# KiCad board backplane.20-slot.kicad_pcb (continued)
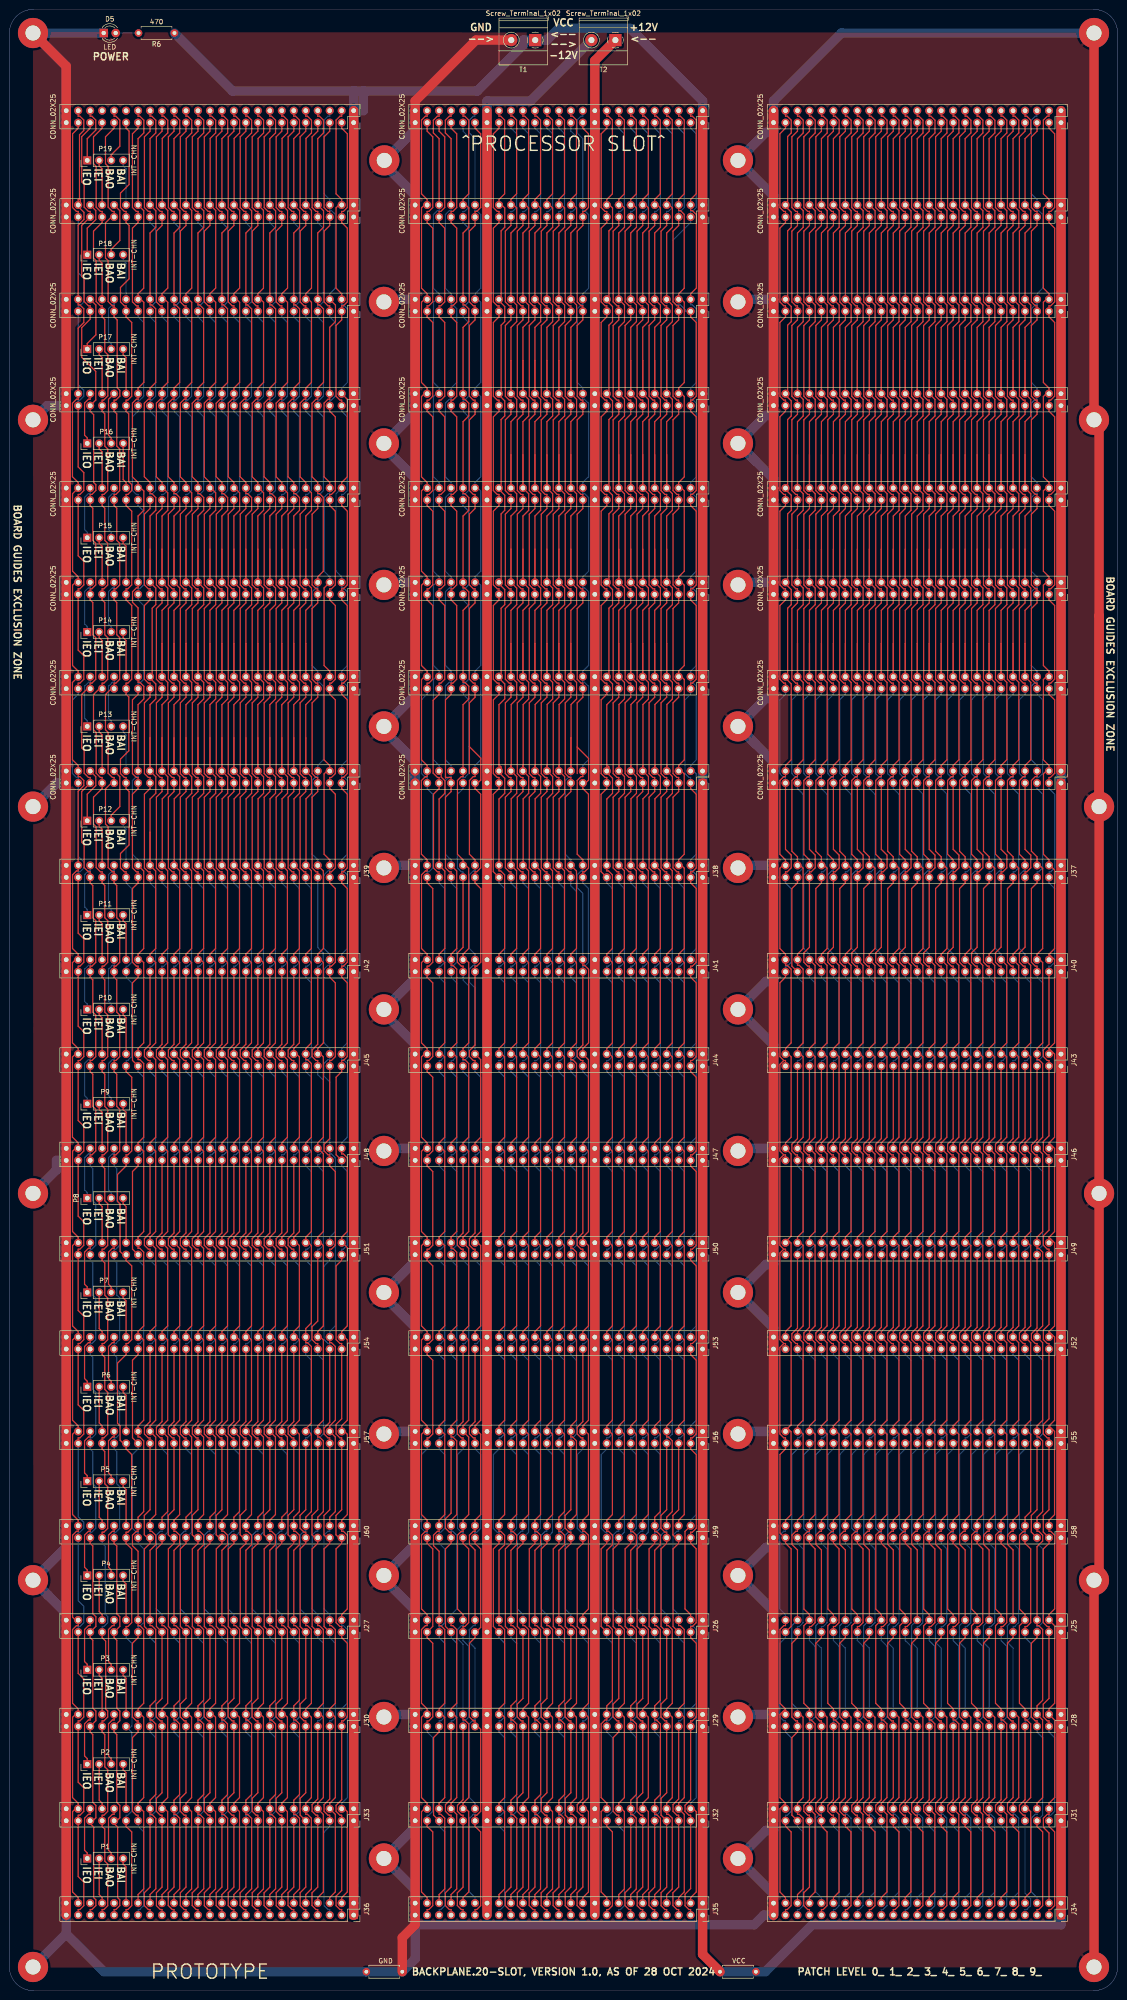
[diagram p0: board, top side]
## Routing (per net, layer and track width the routed paths; a pad name or vN(x,y) marks a point on that pad's centre or on a via; arc(x,y) is an arc through that point) (continued)
/A7: length 409.6
  Top w0.25: J47.21 121.6,160.61 120.41,159.42 120.41,158 121.23,157.18 121.6,157.18 J50.21 ; J53.21 121.6,120.61 120.41,119.42 120.41,118 121.23,117.18 121.6,117.18 J56.21 ; J38.21 121.6,237.18 121.97,237.18 122.8,238 122.8,253.63 121.6,254.82 121.6,255.41 ; J29.21 121.6,40.61 120.41,39.42 120.41,38 121.23,37.18 121.6,37.18 J32.21 121.6,21.94 120.38,20.72 120.38,18.03 121.23,17.18 121.6,17.18 J35.21 ; J41.21 121.6,200.46 120.41,199.27 120.41,198 121.23,197.18 121.6,197.18 J44.21 ; J2.21 121.6,255.41 ; 121.6,255.41 122.81,256.63 122.81,261.21 120.41,263.62 ; J26.21 120.41,77.19 120.41,93.63 121.6,94.82 J59.21 ; J23.21 121.6,394.82 122.79,393.63 122.79,378 121.97,377.18 121.6,377.18 J20.21 121.6,374.19 120.41,373 120.41,358 121.24,357.18 121.6,357.18 J17.21 121.6,354.19 120.41,353 120.41,338 121.24,337.18 121.6,337.18 J14.21 121.6,334.19 120.41,333 120.41,318 121.24,317.18 121.6,317.18 J11.21 121.6,314.19 120.41,313 120.41,298 121.24,297.18 121.6,297.18 J8.21 121.6,294.19 120.41,293 120.41,278 121.24,277.18 121.6,277.18 J5.21 121.6,274.19 120.41,273 120.41,263.62 ; 120.41,263.62 120.41,258
  Bottom w0.25: J38.21 121.6,234.82 122.79,233.63 122.79,218 121.97,217.18 121.6,217.18 J41.21 ; J29.21 121.6,57.18 121.97,57.18 122.79,58 122.79,73.63 121.6,74.82 J26.21 ; J44.21 121.6,194.82 122.79,193.63 122.79,178 121.97,177.18 121.6,177.18 J47.21 ; J50.21 121.6,154.82 122.79,153.63 122.79,138 121.97,137.18 121.6,137.18 J53.21 ; J59.21 121.6,97.18 121.23,97.18 120.41,98 120.41,113.63 121.6,114.82 J56.21
/A8: length 402.4
  Top w0.25: J38.17 125.47,237.21 125.47,253.61 126.68,254.82 J2.17 126.68,257.18 126.31,257.18 125.49,258 125.49,273.63 126.68,274.82 J5.17 126.68,277.18 126.31,277.18 125.49,278 125.49,293.63 126.68,294.82 J8.17 126.68,297.18 126.31,297.18 125.49,298 125.49,313.63 126.68,314.82 J11.17 126.68,317.18 126.31,317.18 125.49,318 125.49,333.63 126.68,334.82 J14.17 126.68,337.18 126.31,337.18 125.49,338 125.49,353.63 126.68,354.82 J17.17 126.68,357.18 126.31,357.18 125.49,358 125.49,373.63 126.68,374.82 J20.17 126.68,377.18 126.31,377.18 125.49,378 125.49,393.63 126.68,394.82 J23.17 ; J26.17 125.49,77.2 125.49,93.63 126.68,94.82 J59.17 ; J35.17 126.68,17.18 127.05,17.18 127.87,18 127.87,33.63 126.68,34.82 J32.17
  Bottom w0.25: J26.17 126.68,74.82 127.87,73.63 127.87,58 127.05,57.18 126.68,57.18 J29.17 126.68,54.82 127.87,53.63 127.87,38 127.05,37.18 126.68,37.18 J32.17 ; J38.17 126.68,234.82 127.87,233.63 127.87,218 127.05,217.18 126.68,217.18 J41.17 126.68,214.82 127.87,213.63 127.87,198 127.05,197.18 126.68,197.18 J44.17 126.68,194.82 127.87,193.63 127.87,178 127.05,177.18 126.68,177.18 J47.17 126.68,174.82 127.87,173.63 127.87,158 127.05,157.18 126.68,157.18 J50.17 126.68,154.82 127.87,153.63 127.87,138 127.05,137.18 126.68,137.18 J53.17 126.68,134.82 127.87,133.63 127.87,118 127.05,117.18 126.68,117.18 J56.17 126.68,114.82 125.49,113.63 125.49,98 126.31,97.18 126.68,97.18 J59.17
/A9: length 402.4
  Top w0.25: J38.15 129.22,237.18 128.85,237.18 128.03,238 128.03,253 129.22,254.19 J2.15 129.22,257.18 128.85,257.18 128.03,258 128.03,273 129.22,274.19 J5.15 129.22,277.18 128.86,277.18 128.03,278 128.03,293 129.22,294.19 J8.15 129.22,297.18 128.86,297.18 128.03,298 128.03,313 129.22,314.19 J11.15 129.22,317.18 128.86,317.18 128.03,318 128.03,333 129.22,334.19 J14.15 129.22,337.18 128.86,337.18 128.03,338 128.03,353 129.22,354.19 J17.15 129.22,357.18 128.86,357.18 128.03,358 128.03,373 129.22,374.19 J20.15 ; J32.15 129.22,37.18 128.85,37.18 128.04,37.99 128.04,53.64 129.22,54.82 J29.15 129.22,57.18 128.85,57.18 128,58.03 128,60.72 129.22,61.94 J26.15 128.03,77.19 128.03,93.63 129.22,94.82 J59.15
  Bottom w0.25: J20.15 129.22,377.18 129.59,377.18 130.41,378 130.41,393.63 129.22,394.82 J23.15 ; J59.15 130.41,97.19 130.41,113.64 129.22,114.82 J56.15 129.22,117.18 129.59,117.18 130.41,118 130.41,133.63 129.22,134.82 J53.15 129.22,137.18 129.59,137.18 130.41,138 130.41,153.63 129.22,154.82 J50.15 129.22,157.18 129.59,157.18 130.41,158 130.41,173.63 129.22,174.82 J47.15 129.22,177.18 129.59,177.18 130.41,178 130.41,193.63 129.22,194.82 J44.15 129.22,197.18 129.59,197.18 130.41,198 130.41,213.63 129.22,214.82 J41.15 129.22,217.18 129.59,217.18 130.41,218 130.41,233.63 129.22,234.82 J38.15 ; J35.15 129.22,17.18 129.59,17.18 130.41,18 130.41,33.63 129.22,34.82 J32.15
/A10: length 402.6
  Top w0.25: J59.13 131.76,94.82 130.57,93.63 130.57,77.19 J26.13 ; J38.13 131.76,237.18 131.39,237.18 130.57,238 130.57,253 131.76,254.19 J2.13 131.76,257.18 131.39,257.18 130.57,258 130.57,273 131.76,274.19 J5.13 131.76,277.18 131.4,277.18 130.57,278 130.57,293 131.76,294.19 J8.13 131.76,297.18 131.4,297.18 130.57,298 130.57,313 131.76,314.19 J11.13 131.76,317.18 131.4,317.18 130.57,318 130.57,333 131.76,334.19 J14.13 131.76,337.18 131.4,337.18 130.57,338 130.57,353 131.76,354.19 J17.13 131.76,357.18 131.4,357.18 130.57,358 130.57,373 131.76,374.19 J20.13 ; J35.13 131.76,17.18 131.39,17.18 130.54,18.03 130.54,20.72 131.76,21.94 J32.13
  Bottom w0.25: J38.13 131.76,234.82 132.95,233.63 132.95,218 132.13,217.18 131.76,217.18 J41.13 131.76,214.82 132.95,213.63 132.95,198 132.13,197.18 131.76,197.18 J44.13 131.76,194.82 132.95,193.63 132.95,178 132.13,177.18 131.76,177.18 J47.13 131.76,174.82 132.95,173.63 132.95,158 132.13,157.18 131.76,157.18 J50.13 131.76,154.82 132.95,153.63 132.95,138 132.13,137.18 131.76,137.18 J53.13 131.76,134.82 132.95,133.63 132.95,118 132.13,117.18 131.76,117.18 J56.13 131.76,114.82 132.94,113.65 132.94,97.99 132.13,97.18 131.76,97.18 J59.13 ; J23.13 131.76,394.82 132.95,393.63 132.95,378 132.12,377.18 131.76,377.18 J20.13 ; J32.13 131.76,37.18 132.13,37.18 132.95,38 132.95,53.63 131.76,54.82 J29.13 131.76,57.18 132.13,57.18 132.95,58 132.95,73.63 131.76,74.82 J26.13
/A11: length 402.4
  Top w0.25: J35.11 134.3,17.18 133.93,17.18 133.12,17.99 133.12,20.76 134.3,21.94 J32.11 134.3,37.18 133.93,37.18 133.11,38 133.11,40.74 134.3,41.94 J29.11 134.3,57.18 133.93,57.18 133.09,58.02 133.09,60.72 134.3,61.94 J26.11 133.11,77.19 133.11,93.63 134.3,94.82 J59.11 ; J38.11 134.3,237.18 133.93,237.18 133.11,238 133.11,253 134.3,254.19 J2.11 134.3,257.18 133.93,257.18 133.11,258 133.11,273 134.3,274.19 J5.11 134.3,277.18 133.94,277.18 133.11,278 133.11,293 134.3,294.19 J8.11 134.3,297.18 133.94,297.18 133.11,298 133.11,313 134.3,314.19 J11.11 134.3,317.18 133.94,317.18 133.11,318 133.11,333 134.3,334.19 J14.11 134.3,337.18 133.94,337.18 133.11,338 133.11,353 134.3,354.19 J17.11 134.3,357.18 133.94,357.18 133.11,358 133.11,373 134.3,374.19 J20.11
  Bottom w0.25: J38.11 134.3,234.82 135.49,233.63 135.49,218 134.67,217.18 134.3,217.18 J41.11 134.3,214.82 135.49,213.63 135.49,198 134.67,197.18 134.3,197.18 J44.11 134.3,194.82 135.49,193.63 135.49,178 134.67,177.18 134.3,177.18 J47.11 134.3,174.82 135.49,173.63 135.49,158 134.67,157.18 134.3,157.18 J50.11 134.3,154.82 135.49,153.63 135.49,138 134.67,137.18 134.3,137.18 J53.11 134.3,134.82 135.49,133.63 135.49,118 134.67,117.18 134.3,117.18 J56.11 134.3,114.82 135.49,113.64 135.49,97.19 J59.11 ; J20.11 134.3,377.18 134.66,377.18 135.49,378 135.49,393.63 134.3,394.82 J23.11
/A12: length 402.6
  Top w0.25: J26.9 135.65,77.19 135.65,93.63 136.84,94.82 J59.9 ; J35.9 136.84,17.18 136.47,17.18 135.62,18.03 135.62,20.72 136.84,21.94 J32.9 ; J20.9 136.84,374.19 135.65,373 135.65,358 136.47,357.18 136.84,357.18 J17.9 136.84,354.19 135.65,353 135.65,338 136.47,337.18 136.84,337.18 J14.9 136.84,334.19 135.65,333 135.65,318 136.47,317.18 136.84,317.18 J11.9 136.84,314.19 135.65,313 135.65,298 136.47,297.18 136.84,297.18 J8.9 136.84,294.19 135.65,293 135.65,278 136.47,277.18 136.84,277.18 J5.9 136.84,274.19 135.65,273 135.65,258 136.47,257.18 136.84,257.18 J2.9 136.84,254.19 135.65,253 135.65,238 136.47,237.18 136.84,237.18 J38.9
  Bottom w0.25: J23.9 136.84,394.82 138.03,393.63 138.03,378 137.21,377.18 136.84,377.18 J20.9 ; J32.9 136.84,37.18 137.21,37.18 138.03,38 138.03,53.63 136.84,54.82 J29.9 136.84,57.18 137.21,57.18 138.03,58 138.03,73.63 136.84,74.82 J26.9 ; J38.9 136.84,234.82 138.03,233.63 138.03,218 137.21,217.18 136.84,217.18 J41.9 136.84,214.82 138.03,213.63 138.03,198 137.21,197.18 136.84,197.18 J44.9 136.84,194.82 138.03,193.63 138.03,178 137.21,177.18 136.84,177.18 J47.9 136.84,174.82 138.03,173.63 138.03,158 137.21,157.18 136.84,157.18 J50.9 136.84,154.82 138.03,153.63 138.03,138 137.21,137.18 136.84,137.18 J53.9 136.84,134.82 138.03,133.63 138.03,118 137.21,117.18 136.84,117.18 J56.9 136.84,114.82 138.02,113.65 138.02,97.99 137.21,97.18 136.84,97.18 J59.9
/A13: length 402.4
  Top w0.25: J38.7 139.38,237.18 139.01,237.18 138.19,238 138.19,253 139.38,254.19 J2.7 139.38,257.18 139.01,257.18 138.19,258 138.19,273 139.38,274.19 J5.7 139.38,277.18 139.02,277.18 138.19,278 138.19,293 139.38,294.19 J8.7 139.38,297.18 139.02,297.18 138.19,298 138.19,313 139.38,314.19 J11.7 139.38,317.18 139.02,317.18 138.19,318 138.19,333 139.38,334.19 J14.7 139.38,337.18 139.02,337.18 138.19,338 138.19,353 139.38,354.19 J17.7 139.38,357.18 139.02,357.18 138.19,358 138.19,373 139.38,374.19 J20.7 ; J35.7 139.38,17.18 139.01,17.18 138.19,17.99 138.19,20.75 139.38,21.94 J32.7 138.19,37.19 138.19,40.74 139.38,41.94 J29.7 139.38,57.18 139.01,57.18 138.17,58.02 138.17,60.72 139.38,61.94 J26.7 138.19,77.19 138.19,93.63 139.38,94.82 J59.7 139.38,97.18 139.01,97.18 138.17,98.02 138.17,100.72 139.38,101.94 J56.7
  Bottom w0.25: J56.7 139.38,117.18 139.75,117.18 140.57,118 140.57,133.63 139.38,134.82 J53.7 139.38,137.18 139.75,137.18 140.57,138 140.57,153.63 139.38,154.82 J50.7 139.38,157.18 139.75,157.18 140.57,158 140.57,173.63 139.38,174.82 J47.7 139.38,177.18 139.75,177.18 140.57,178 140.57,193.63 139.38,194.82 J44.7 139.38,197.18 139.75,197.18 140.57,198 140.57,213.63 139.38,214.82 J41.7 139.38,217.18 139.75,217.18 140.57,218 140.57,233.63 139.38,234.82 J38.7 ; J23.7 139.38,394.82 140.57,393.63 140.57,378 139.75,377.18 139.38,377.18 J20.7
/A14: length 403
  Top w0.25: J38.5 141.92,237.18 141.55,237.18 140.73,238 140.73,253 141.92,254.19 J2.5 141.92,257.18 141.55,257.18 140.73,258 140.73,273 141.92,274.19 J5.5 141.92,277.18 141.56,277.18 140.73,278 140.73,293 141.92,294.19 J8.5 141.92,297.18 141.56,297.18 140.73,298 140.73,313 141.92,314.19 J11.5 141.92,317.18 141.56,317.18 140.73,318 140.73,333 141.92,334.19 J14.5 141.92,337.18 141.56,337.18 140.73,338 140.73,353 141.92,354.19 J17.5 141.92,357.18 141.56,357.18 140.73,358 140.73,373 141.92,374.19 J20.5 ; J59.5 141.92,95.41 ; 141.92,95.41 141.92,94.82 140.73,93.63 140.73,77.19 J26.5 ; 141.92,95.41 140.7,96.63 140.7,100.72 141.92,101.94 J56.5 ; J29.5 141.92,40.61 140.73,39.42 140.73,38 141.55,37.18 141.92,37.18 J32.5 141.92,21.94 140.7,20.72 140.7,18.03 141.55,17.18 141.92,17.18 J35.5
  Bottom w0.25: J20.5 141.92,377.18 142.28,377.18 143.11,378 143.11,393.63 141.92,394.82 J23.5 ; J38.5 141.92,234.82 143.11,233.63 143.11,218 142.29,217.18 141.92,217.18 J41.5 141.92,214.82 143.11,213.63 143.11,198 142.29,197.18 141.92,197.18 J44.5 141.92,194.82 143.11,193.63 143.11,178 142.29,177.18 141.92,177.18 J47.5 141.92,174.82 143.11,173.63 143.11,158 142.29,157.18 141.92,157.18 J50.5 141.92,154.82 143.11,153.63 143.11,138 142.29,137.18 141.92,137.18 J53.5 141.92,134.82 143.11,133.63 143.11,118 142.29,117.18 141.92,117.18 J56.5 ; J29.5 141.92,57.18 142.29,57.18 143.11,58 143.11,73.63 141.92,74.82 J26.5
/A15: length 405.9
  Top w0.25: J17.3 144.46,354.82 145.66,353.63 145.66,338 144.83,337.18 144.46,337.18 J14.3 144.46,334.82 145.66,333.63 145.66,318 144.83,317.18 144.46,317.18 J11.3 144.46,314.82 145.66,313.63 145.66,298 144.83,297.18 144.46,297.18 J8.3 144.46,294.82 145.66,293.63 145.66,278 144.83,277.18 144.46,277.18 J5.3 ; J35.3 144.46,17.18 144.09,17.18 143.27,18 143.27,20.43 144.46,21.62 J32.3 144.46,37.18 144.09,37.18 143.27,38 143.27,39.27 144.46,40.46 J29.3 144.46,57.18 144.83,57.18 145.67,58.02 145.67,73.61 144.46,74.82 J26.3 144.46,77.18 144.83,77.18 145.64,77.99 145.64,93.65 144.46,94.82 J59.3 144.46,97.18 144.83,97.18 145.66,98.01 145.66,113.62 144.46,114.82 J56.3 144.46,117.18 144.83,117.18 145.65,118 145.65,133.63 144.46,134.82 J53.3 144.46,137.18 144.83,137.18 145.65,138 145.65,153.63 144.46,154.82 J50.3 144.46,157.18 144.83,157.18 145.65,158 145.65,173.63 144.46,174.82 J47.3 144.46,177.18 144.83,177.18 145.65,178 145.65,193.63 144.46,194.82 J44.3 144.46,197.18 144.83,197.18 145.65,198 145.65,213.63 144.46,214.82 J41.3 144.46,217.18 144.83,217.18 145.65,218 145.65,233.63 144.46,234.82 J38.3 144.46,237.18 144.83,237.18 145.65,238 145.65,253.63 144.46,254.82 J2.3
  Bottom w0.25: J2.3 144.46,257.18 144.09,257.18 143.27,258 143.27,273.63 144.46,274.82 J5.3 ; J23.3 144.46,394.82 145.65,393.63 145.65,378 144.83,377.18 144.46,377.18 J20.3 144.46,374.82 140.75,371.11 140.75,358.05 141.43,357.36 142.28,357.36 143.28,356.37 143.28,356 J17.3
/A16: length 406.7
  Top w0.25: 103.82,179.13 103.82,179.72 105.01,180.91 105.01,197.94 103.82,199.13 ; 103.82,179.13 J47.36 ; 103.82,179.13 105.01,177.94 105.01,160.91 103.82,159.72 103.82,159.13 ; 103.82,259.85 J2.36 ; 103.82,259.85 104.27,259.39 104.27,257.78 105.04,257.01 105.04,253.82 103.82,252.6 J38.36 103.82,237.36 104.19,237.36 105.01,236.54 105.01,220.91 103.82,219.72 103.82,219.13 ; 103.82,259.85 103.82,272.6 105.04,273.82 105.04,277.01 104.27,277.78 104.27,278.54 ; 103.82,219.13 J41.36 ; 103.82,219.13 105.01,217.94 105.01,200.91 103.82,199.72 103.82,199.13 ; 103.82,39.13 103.82,39.72 105.01,40.91 105.01,57.94 103.82,59.13 ; 103.82,39.13 105.01,37.94 105.01,21.54 103.82,20.35 J35.36 ; 103.82,39.13 J32.36 ; 103.82,59.13 J29.36 ; 103.82,59.13 103.82,59.72 105.01,60.91 105.01,76.54 104.19,77.36 103.82,77.36 J26.36 103.82,93.33 105.01,94.52 105.01,96.54 104.19,97.36 103.82,97.36 J59.36 103.82,99.72 105.01,100.91 105.01,117.94 103.82,119.13 ; 104.27,278.54 104.27,293.05 105.04,293.82 105.04,297.01 104.27,297.78 104.27,298.54 ; 104.27,278.54 103.82,278.54 ; 103.82,159.13 105.01,157.94 105.01,140.91 103.82,139.72 103.82,139.13 ; 103.82,159.13 J50.36 ; 103.82,338.54 J14.36 103.82,338.54 ; 103.82,338.54 104.27,338.54 ; 103.82,318.54 104.27,318.54 ; 103.82,318.54 J11.36 103.82,318.54 ; 104.27,318.54 104.27,333.05 105.04,333.82 105.04,337.01 104.27,337.78 104.27,338.54 ; 104.27,318.54 104.27,317.78 105.04,317.01 105.04,313.82 104.27,313.05 104.27,298.54 ; 103.82,139.13 J53.36 ; 103.82,139.13 105.01,137.94 105.01,120.91 103.82,119.72 103.82,119.13 ; 104.27,298.54 103.82,298.54 ; 104.27,338.54 104.27,353.05 105.04,353.82 105.04,357.01 104.27,357.78 104.27,358.54 ; 103.82,298.54 J8.36 103.82,298.54 ; 103.82,199.13 J44.36 ; 103.82,379.13 105.04,377.91 105.04,373.82 104.27,373.05 104.27,358.54 ; 103.82,379.13 103.82,379.72 105.01,380.91 105.01,396.54 104.19,397.36 103.82,397.36 J23.36 ; 103.82,379.13 J20.36 ; 103.82,278.54 J5.36 103.82,278.54 ; J56.36 103.82,119.13 ; 104.27,358.54 J17.36
/A17: length 433.4
  Top w0.25: J2.34 106.36,259.66 106.41,259.71 ; J20.34 106.36,379.13 ; 106.36,379.13 106.36,379.72 107.55,380.91 107.55,396.54 106.73,397.36 106.36,397.36 J23.34 ; 106.36,379.13 107.58,377.91 107.58,373.82 106.36,372.6 J17.34 107.58,357.32 107.58,353.82 106.36,352.6 106.36,345.57 ; J56.34 106.36,119.13 ; 106.36,119.13 106.36,119.72 107.55,120.91 107.55,137.93 106.36,139.13 ; 106.36,119.13 107.55,117.93 107.55,100.91 106.36,99.72 J59.34 106.36,97.36 106.73,97.36 107.55,96.54 107.55,94.52 106.36,93.33 J26.34 106.36,77.36 106.73,77.36 107.55,76.54 107.55,61.55 106.36,60.35 J29.34 106.36,57.36 106.73,57.36 107.57,56.52 107.57,41.57 106.36,40.35 J32.34 106.36,37.36 106.73,37.36 107.58,36.51 107.58,21.57 106.36,20.35 J35.34 ; 106.36,325.57 J11.34 ; 106.36,325.57 106.36,332.6 107.58,333.82 107.58,337.32 J14.34 ; 106.36,325.57 J11.34 ; J11.34 107.58,317.32 107.58,313.82 106.36,312.6 106.36,305.57 ; 106.36,199.13 107.55,197.93 107.55,180.91 106.36,179.72 106.36,179.13 ; 106.36,199.13 106.36,199.72 107.55,200.91 107.55,217.93 106.36,219.13 ; 106.36,199.13 J44.34 ; 106.36,345.57 J14.34 ; 106.36,345.57 J14.34 ; 106.41,238.54 107.55,237.4 107.55,220.91 106.36,219.72 106.36,219.13 ; 106.41,238.54 J38.34 ; 106.41,238.54 106.41,252.65 107.58,253.82 107.58,257.38 106.41,258.54 106.41,259.71 ; 106.36,179.13 J47.34 ; 106.36,179.13 107.55,177.93 107.55,160.91 106.36,159.72 106.36,159.13 ; 106.36,139.13 106.36,139.72 107.55,140.91 107.55,157.93 106.36,159.13 ; 106.36,139.13 J53.34 ; J50.34 106.36,159.13 ; 106.36,305.57 J8.34 ; 106.36,305.57 J8.34 ; J8.34 107.58,297.32 107.58,293.82 106.36,292.6 106.36,285.57 ; J41.34 106.36,219.13 ; 106.41,259.71 106.41,272.65 107.58,273.82 107.58,277.32 J5.34 ; 106.36,285.57 J5.34 ; 106.36,285.57 J5.34
/A18: length 434.1
  Top w0.25: J11.32 110.12,317.32 110.12,313.82 108.9,312.6 108.9,305.57 ; J11.32 108.9,325.57 ; J11.32 108.9,325.57 ; 108.9,325.57 108.9,332.6 110.12,333.82 110.12,337.32 J14.32 ; J32.32 108.9,39.13 ; 108.9,39.13 108.9,39.72 110.09,40.91 110.09,57.94 108.9,59.13 ; 108.9,39.13 110.09,37.94 110.09,21.54 108.9,20.35 J35.32 ; 108.95,259.71 108.95,272.65 110.12,273.82 110.12,277.32 J5.32 ; 108.95,259.71 108.95,258.54 110.12,257.38 110.12,253.82 108.95,252.65 108.95,238.54 ; 108.95,259.71 108.9,259.66 J2.32 ; 108.9,305.57 J8.32 ; 108.9,305.57 J8.32 ; 108.9,345.57 J14.32 ; 108.9,345.57 J14.32 ; 108.9,345.57 108.9,352.6 110.12,353.82 110.12,357.32 J17.32 108.9,372.6 110.12,373.82 110.12,377.91 108.9,379.13 ; J8.32 110.12,297.32 110.12,293.82 108.9,292.6 108.9,285.57 ; 108.9,139.13 110.09,137.93 110.09,120.91 108.9,119.72 108.9,119.13 ; 108.9,139.13 108.9,139.72 110.09,140.91 110.09,157.93 108.9,159.13 ; 108.9,139.13 J53.32 ; 108.9,119.13 110.09,117.93 110.09,100.91 108.9,99.72 J59.32 ; 108.9,119.13 J56.32 ; 108.9,285.57 J5.32 ; 108.9,285.57 J5.32 ; 108.9,59.13 J29.32 ; 108.9,59.13 108.9,59.72 110.09,60.91 110.09,76.54 109.27,77.36 108.9,77.36 J26.32 ; 108.9,179.13 110.09,177.93 110.09,160.91 108.9,159.72 108.9,159.13 ; 108.9,179.13 J47.32 ; 108.9,179.13 108.9,179.72 110.09,180.91 110.09,197.93 108.9,199.13 ; 108.9,159.13 J50.32 ; J41.32 108.9,219.13 ; 108.9,219.13 110.09,217.93 110.09,200.91 108.9,199.72 108.9,199.13 ; 108.9,219.13 108.9,219.72 110.09,220.91 110.09,237.4 108.95,238.54 ; J23.32 108.9,397.36 109.27,397.36 110.09,396.54 110.09,380.91 108.9,379.72 108.9,379.13 ; 108.9,199.13 J44.32 ; 108.95,238.54 J38.32 ; 108.9,379.13 J20.32
  Bottom w0.25: J26.32 108.9,79.72 107.71,80.91 107.71,96.54 108.53,97.36 108.9,97.36 J59.32
/A19: length 433.4
  Top w0.25: J50.30 111.44,159.13 ; 111.44,159.13 112.63,157.93 112.63,140.91 111.44,139.72 111.44,139.13 ; 111.44,159.13 111.44,159.72 112.63,160.91 112.63,177.93 111.44,179.13 ; 111.44,325.57 J11.30 ; 111.44,325.57 111.44,332.6 112.66,333.82 112.66,337.32 J14.30 ; 111.44,325.57 J11.30 ; J11.30 112.66,317.32 112.66,313.82 111.44,312.6 111.44,305.57 ; 111.49,238.54 112.63,237.4 112.63,220.91 111.44,219.72 111.44,219.13 ; 111.49,238.54 111.49,252.65 112.66,253.82 112.66,257.38 111.49,258.54 111.49,259.71 ; 111.49,238.54 J38.30 ; J56.30 111.44,119.13 ; 111.44,119.13 112.63,117.93 112.63,100.91 111.44,99.72 J59.30 111.44,97.36 111.81,97.36 112.63,96.54 112.63,94.52 111.44,93.33 J26.30 111.44,77.36 111.81,77.36 112.63,76.54 112.63,61.55 111.44,60.35 J29.30 111.44,57.36 111.81,57.36 112.65,56.52 112.65,41.57 111.44,40.35 J32.30 111.44,37.36 111.81,37.36 112.63,36.54 112.63,21.54 111.44,20.35 J35.30 ; 111.44,119.13 111.44,119.72 112.63,120.91 112.63,137.93 111.44,139.13 ; J8.30 112.66,297.32 112.66,293.82 111.44,292.6 111.44,285.57 ; J8.30 111.44,305.57 ; J8.30 111.44,305.57 ; J2.30 111.44,259.66 111.49,259.71 ; J23.30 111.44,397.36 111.81,397.36 112.63,396.54 112.63,380.91 111.44,379.72 111.44,379.13 ; 111.44,219.13 112.63,217.93 112.63,200.91 111.44,199.72 111.44,199.13 ; 111.44,219.13 J41.30 ; 111.44,179.13 111.44,179.72 112.63,180.91 112.63,197.93 111.44,199.13 ; 111.44,179.13 J47.30 ; J20.30 111.44,379.13 ; 111.44,379.13 112.66,377.91 112.66,373.82 111.44,372.6 J17.30 112.66,357.32 112.66,353.82 111.44,352.6 111.44,345.57 ; 111.44,199.13 J44.30 ; 111.44,285.57 J5.30 ; 111.44,285.57 J5.30 ; J5.30 112.66,277.32 112.66,273.82 111.49,272.65 111.49,259.71 ; 111.44,139.13 J53.30 ; 111.44,345.57 J14.30 ; 111.44,345.57 J14.30
/A20: length 434.1
  Top w0.25: 113.98,325.57 J11.28 ; 113.98,325.57 J11.28 ; 113.98,325.57 113.98,332.6 115.2,333.82 115.2,337.32 J14.28 ; J11.28 115.2,317.32 115.2,313.82 113.98,312.6 113.98,305.57 ; 114.03,238.54 114.03,252.65 115.2,253.82 115.2,257.38 114.03,258.54 114.03,259.71 ; 114.03,238.54 115.17,237.4 115.17,220.91 113.98,219.72 113.98,219.13 ; 114.03,238.54 J38.28 ; 113.98,139.13 115.17,137.93 115.17,120.91 113.98,119.72 113.98,119.13 ; 113.98,139.13 113.98,139.72 115.17,140.91 115.17,157.93 113.98,159.13 ; 113.98,139.13 J53.28 ; J26.28 113.98,77.36 114.35,77.36 115.17,76.54 115.17,60.91 113.98,59.72 113.98,59.13 ; 113.98,345.57 113.98,352.6 115.2,353.82 115.2,357.32 J17.28 113.98,372.6 115.2,373.82 115.2,377.91 113.98,379.13 ; 113.98,345.57 J14.28 ; 113.98,345.57 J14.28 ; 113.98,285.57 J5.28 ; 113.98,285.57 113.98,292.6 115.2,293.82 115.2,297.32 J8.28 ; 113.98,285.57 J5.28 ; J5.28 115.2,277.32 115.2,273.82 114.03,272.65 114.03,259.71 ; J56.28 113.98,119.13 ; 113.98,119.13 115.17,117.93 115.17,100.91 113.98,99.72 J59.28 ; 113.98,159.13 J50.28 ; 113.98,159.13 113.98,159.72 115.17,160.91 115.17,177.93 113.98,179.13 ; J20.28 113.98,379.13 ; 113.98,379.13 113.98,379.72 115.17,380.91 115.17,396.54 114.35,397.36 113.98,397.36 J23.28 ; J44.28 113.98,199.13 ; 113.98,199.13 113.98,199.72 115.17,200.91 115.17,217.93 113.98,219.13 ; 113.98,199.13 115.17,197.93 115.17,180.91 113.98,179.72 113.98,179.13 ; J32.28 113.98,39.13 ; 113.98,39.13 115.17,37.94 115.17,21.54 113.98,20.35 J35.28 ; 113.98,39.13 113.98,39.72 115.17,40.91 115.17,57.94 113.98,59.13 ; 113.98,305.57 J8.28 ; 113.98,305.57 J8.28 ; 113.98,219.13 J41.28 ; 114.03,259.71 113.98,259.66 J2.28 ; 113.98,179.13 J47.28 ; J29.28 113.98,59.13
  Bottom w0.25: J59.28 113.98,97.36 113.61,97.36 112.79,96.54 112.79,80.91 113.98,79.72 J26.28
/A21: length 433.4
  Top w0.25: 116.57,259.71 116.57,258.54 117.74,257.38 117.74,253.82 116.57,252.65 116.57,238.54 ; 116.57,259.71 116.52,259.66 J2.26 ; 116.57,259.71 116.57,272.65 117.74,273.82 117.74,277.32 J5.26 ; 116.52,139.13 117.71,137.93 117.71,120.91 116.52,119.72 116.52,119.13 ; 116.52,139.13 J53.26 ; 116.52,139.13 116.52,139.72 117.71,140.91 117.71,157.93 116.52,159.13 ; 116.57,238.54 J38.26 ; 116.57,238.54 117.71,237.4 117.71,220.91 116.52,219.72 116.52,219.13 ; J20.26 116.52,379.13 ; 116.52,379.13 117.74,377.91 117.74,373.82 116.52,372.6 J17.26 117.74,357.32 117.74,353.82 116.52,352.6 116.52,345.57 ; 116.52,379.13 116.52,379.72 117.71,380.91 117.71,396.54 116.89,397.36 116.52,397.36 J23.26 ; 116.52,219.13 117.71,217.93 117.71,200.91 116.52,199.72 116.52,199.13 ; 116.52,219.13 J41.26 ; J11.26 117.74,317.32 117.74,313.82 116.52,312.6 116.52,305.57 ; J11.26 116.52,325.57 ; J11.26 116.52,325.57 ; 116.52,305.57 J8.26 ; 116.52,305.57 J8.26 ; J8.26 117.74,297.32 117.74,293.82 116.52,292.6 116.52,285.57 ; 116.52,199.13 J44.26 ; 116.52,199.13 117.71,197.93 117.71,180.91 116.52,179.72 116.52,179.13 ; 116.52,325.57 116.52,332.6 117.74,333.82 117.74,337.32 J14.26 ; 116.52,285.57 J5.26 ; 116.52,285.57 J5.26 ; 116.52,179.13 117.71,177.93 117.71,160.91 116.52,159.72 116.52,159.13 ; 116.52,179.13 J47.26 ; 116.52,345.57 J14.26 ; 116.52,345.57 J14.26 ; 116.52,159.13 J50.26 ; 116.52,119.13 117.71,117.93 117.71,101.55 116.52,100.35 J59.26 116.52,97.36 116.89,97.36 117.71,96.54 117.71,94.52 116.52,93.33 J26.26 116.52,77.36 116.89,77.36 117.71,76.54 117.71,61.55 116.52,60.35 J29.26 116.52,57.36 116.89,57.36 117.73,56.52 117.73,41.57 116.52,40.35 J32.26 116.52,37.36 116.83,37.36 117.73,36.47 117.73,21.56 116.52,20.35 J35.26 ; 116.52,119.13 J56.26
/A22: length 438.7
  Top w0.25: 119.11,265.6 119.11,258.54 ; 119.11,265.6 119.11,272.65 120.28,273.82 120.28,277.32 J5.24 ; 119.11,265.6 119.06,265.55 J2.24 ; J8.24 120.28,297.32 120.28,293.82 119.06,292.6 119.06,285.57 ; J8.24 119.06,305.57 ; J8.24 119.06,305.57 ; J53.24 119.06,139.13 ; 119.06,139.13 120.25,137.93 120.25,120.91 119.06,119.72 J56.24 119.06,117.36 119.43,117.36 120.25,116.54 120.25,100.91 119.06,99.72 J59.24 ; 119.06,139.13 119.06,139.72 120.25,140.91 120.25,156.54 119.43,157.36 119.06,157.36 J50.24 119.06,159.72 120.25,160.91 120.25,177.93 119.06,179.13 ; J38.24 120.25,237.35 120.25,220.91 119.06,219.72 119.06,219.13 ; 119.06,325.57 119.06,332.6 120.28,333.82 120.28,337.32 J14.24 ; 119.06,325.57 J11.24 ; 119.06,325.57 J11.24 ; J26.24 119.06,77.36 119.43,77.36 120.25,76.54 120.25,60.91 119.06,59.72 119.06,59.13 ; J23.24 119.06,397.36 119.43,397.36 120.25,396.54 120.25,380.91 119.06,379.72 119.06,379.13 ; J11.24 120.28,317.32 120.28,313.82 119.06,312.6 119.06,305.57 ; 119.06,379.13 J20.24 ; 119.06,379.13 120.28,377.91 120.28,373.82 119.06,372.6 J17.24 120.28,357.32 120.28,353.82 119.06,352.6 119.06,345.57 ; 119.06,219.13 120.25,217.93 120.25,200.91 119.06,199.72 J44.24 119.06,197.36 119.43,197.36 120.25,196.54 120.25,180.91 119.06,179.72 119.06,179.13 ; 119.06,219.13 J41.24 ; 119.06,345.57 J14.24 ; 119.06,345.57 J14.24 ; 119.06,285.57 J5.24 ; 119.06,285.57 J5.24 ; J29.24 119.06,59.13 ; 119.06,59.13 120.25,57.94 120.25,40.91 119.06,39.72 J32.24 119.06,37.36 119.43,37.36 120.25,36.54 120.25,21.54 119.06,20.35 J35.24 ; 119.06,179.13 J47.24
  Bottom w0.25: J26.24 119.06,79.72 117.87,80.91 117.87,96.54 118.69,97.36 119.06,97.36 J59.24 ; J38.24 119.06,239.72 117.87,240.91 117.87,256.54 118.69,257.36 119.06,257.36 J2.24